# KiCad board poly_kb_molecule_16x5.kicad_pcb (continued)
## Routing (per net, layer and track width the routed paths; a pad name or vN(x,y) marks a point on that pad's centre or on a via; arc(x,y) is an arc through that point) (continued)
/Keyboard/sheet605ED2EB/KeyCol: length 3539
  Top w0.254: v1(206.63,59.56) 205.99,58.93 205.99,56.39 205.47,55.87 203.51,55.87 203.08,56.29 v1(202.85,56.29) ; v1(301.88,59.56) 301.24,58.93 301.24,56.39 300.72,55.87 298.76,55.87 298.33,56.29 v1(298.1,56.29) ; v1(130.43,78.61) 129.79,77.98 129.79,75.44 129.27,74.92 127.31,74.92 126.88,75.34 v1(126.65,75.34) ; v1(31.4,37.24) 31.63,37.24 32.06,36.82 34.02,36.82 34.54,37.34 34.54,39.88 v1(35.18,40.51) ; v1(126.65,56.29) 126.88,56.29 127.31,55.87 129.27,55.87 129.79,56.39 129.79,58.93 v1(130.43,59.56) ; v1(71.29,24.97) 71.21,25.04 v1(69.22,25.04) ; v1(50.17,5.99) 52.16,5.99 v1(52.24,5.92) ; v1(225.68,59.56) 225.04,58.93 225.04,56.39 224.52,55.87 222.56,55.87 222.13,56.29 v1(221.9,56.29) ; v1(202.85,75.34) 203.08,75.34 203.51,74.92 205.47,74.92 205.99,75.44 205.99,77.98 v1(206.63,78.61) ; v1(204.64,63.07) 204.56,63.14 v1(202.57,63.14) ; v1(107.32,82.19) 109.31,82.19 v1(109.39,82.12) ; v1(166.54,63.07) 166.46,63.14 v1(164.47,63.14) ; J9#9.1 72.64,1.78 v1(73.28,2.41) ; v1(107.6,37.24) 107.83,37.24 108.26,36.82 110.22,36.82 110.74,37.34 110.74,39.88 v1(111.38,40.51) ; J9#4.1 148.84,1.78 v1(149.48,2.41) ; v1(263.78,2.41) 263.14,1.78 J9.1 ; v1(164.47,44.09) 166.46,44.09 v1(166.54,44.02) ; v1(73.28,40.51) 72.64,39.88 72.64,37.34 72.12,36.82 70.16,36.82 69.73,37.24 v1(69.5,37.24) ; v1(282.83,2.41) 282.19,1.78 J9#5.1 ; v1(202.57,5.99) 204.56,5.99 v1(204.64,5.92) ; v1(168.53,21.46) 167.89,20.83 167.89,18.29 167.37,17.77 165.41,17.77 164.98,18.19 v1(164.75,18.19) ; v1(221.62,5.99) 223.61,5.99 v1(223.69,5.92) ; v1(31.4,56.29) 31.63,56.29 32.06,55.87 34.02,55.87 34.54,56.39 34.54,58.93 v1(35.18,59.56) ; v1(299.89,63.07) 299.81,63.14 v1(297.82,63.14) ; v1(204.64,24.97) 204.56,25.04 v1(202.57,25.04) ; v1(16.13,40.51) 15.49,39.88 15.49,37.34 14.97,36.82 13.01,36.82 12.58,37.24 v1(12.35,37.24) ; v1(244.73,2.41) 244.09,1.78 J9#16.1 ; v1(225.68,2.41) 225.04,1.78 J9#7.1 ; v1(187.58,59.56) 186.94,58.93 186.94,56.39 186.42,55.87 184.46,55.87 184.03,56.29 v1(183.8,56.29) ; v1(54.23,2.41) 53.59,1.78 J9#13.1 ; J9#3.1 91.69,1.78 v1(92.33,2.41) ; v1(126.37,25.04) 128.36,25.04 v1(128.44,24.97) ; v1(225.68,40.51) 225.04,39.88 225.04,37.34 224.52,36.82 222.56,36.82 222.13,37.24 v1(221.9,37.24) ; v1(52.24,63.07) 52.16,63.14 v1(50.17,63.14) ; v1(261.79,44.02) 261.71,44.09 v1(259.72,44.09) ; v1(202.85,18.19) 203.08,18.19 203.51,17.77 205.47,17.77 205.99,18.29 205.99,20.83 v1(206.63,21.46) ; v1(185.59,82.12) 185.51,82.19 v1(183.52,82.19) ; v1(221.9,75.34) 222.13,75.34 222.56,74.92 224.52,74.92 225.04,75.44 225.04,77.98 v1(225.68,78.61) ; v1(92.33,59.56) 91.69,58.93 91.69,56.39 91.17,55.87 89.21,55.87 88.78,56.29 v1(88.55,56.29) ; v1(109.39,44.02) 109.31,44.09 v1(107.32,44.09) ; J2#12.1 110.22,93.97 108.26,93.97 107.83,94.39 v1(107.6,94.39) ; v1(149.48,59.56) 148.84,58.93 148.84,56.39 148.32,55.87 146.36,55.87 145.93,56.29 v1(145.7,56.29) ; J2#8.1 243.57,93.97 241.61,93.97 241.18,94.39 v1(240.95,94.39) ; v1(54.23,40.51) 53.59,39.88 53.59,37.34 53.07,36.82 51.11,36.82 50.68,37.24 v1(50.45,37.24) ; J9#11.1 110.74,1.78 v1(111.38,2.41) ; v1(183.52,25.04) 185.51,25.04 v1(185.59,24.97) ; v1(88.27,5.99) 90.26,5.99 v1(90.34,5.92) ; v1(301.88,21.46) 301.24,20.83 301.24,18.29 300.72,17.77 298.76,17.77 298.33,18.19 v1(298.1,18.19) ; v1(183.8,18.19) 184.03,18.19 184.46,17.77 186.42,17.77 186.94,18.29 186.94,20.83 v1(187.58,21.46) ; v1(145.7,94.39) 145.93,94.39 146.36,93.97 148.32,93.97 J2#3.1 ; v1(50.45,94.39) 50.68,94.39 51.11,93.97 53.07,93.97 J2#7.1 ; v1(185.59,63.07) 185.51,63.14 v1(183.52,63.14) ; v1(109.39,5.92) 109.31,5.99 v1(107.32,5.99) ; v1(280.84,24.97) 280.76,25.04 v1(278.77,25.04) ; v1(225.68,21.46) 225.04,20.83 225.04,18.29 224.52,17.77 222.56,17.77 222.13,18.19 v1(221.9,18.19) ; v1(185.59,5.92) 185.51,5.99 v1(183.52,5.99) ; J2#15.1 91.17,93.97 89.21,93.97 88.78,94.39 v1(88.55,94.39) ; v1(88.55,18.19) 88.78,18.19 89.21,17.77 91.17,17.77 91.69,18.29 91.69,20.83 v1(92.33,21.46) ; v1(35.18,78.61) 34.54,77.98 34.54,75.44 34.02,74.92 32.06,74.92 31.63,75.34 v1(31.4,75.34) ; v1(240.67,5.99) 242.66,5.99 v1(242.74,5.92) ; v1(31.12,44.09) 33.11,44.09 v1(33.19,44.02) ; v1(126.37,63.14) 128.36,63.14 v1(128.44,63.07) ; v1(164.75,37.24) 164.98,37.24 165.41,36.82 167.37,36.82 167.89,37.34 167.89,39.88 v1(168.53,40.51) ; v1(259.72,82.19) 261.71,82.19 v1(261.79,82.12) ; v1(260,94.39) 260.23,94.39 260.66,93.97 262.62,93.97 J2#13.1 ; v1(279.05,18.19) 279.28,18.19 279.71,17.77 281.67,17.77 282.19,18.29 282.19,20.83 v1(282.83,21.46) ; v1(16.13,78.61) 15.49,77.98 15.49,75.44 14.97,74.92 13.01,74.92 12.58,75.34 v1(12.35,75.34) ; v1(279.05,75.34) 279.28,75.34 279.71,74.92 281.67,74.92 282.19,75.44 282.19,77.98 v1(282.83,78.61) ; v1(260,37.24) 260.23,37.24 260.66,36.82 262.62,36.82 263.14,37.34 263.14,39.88 v1(263.78,40.51) ; v1(12.35,18.19) 12.58,18.19 13.01,17.77 14.97,17.77 15.49,18.29 15.49,20.83 v1(16.13,21.46) ; v1(279.05,37.24) 279.28,37.24 279.71,36.82 281.67,36.82 282.19,37.34 282.19,39.88 v1(282.83,40.51) ; v1(52.24,24.97) 52.16,25.04 v1(50.17,25.04) ; v1(221.62,25.04) 223.61,25.04 v1(223.69,24.97) ; J2#16.1 224.52,93.97 222.56,93.97 222.13,94.39 v1(221.9,94.39) ; v1(109.39,63.07) 109.31,63.14 v1(107.32,63.14) ; v1(147.49,82.12) 147.41,82.19 v1(145.42,82.19) ; v1(187.58,2.41) 186.94,1.78 J9#8.1 ; v1(71.29,44.02) 71.21,44.09 v1(69.22,44.09) ; v1(187.58,40.51) 186.94,39.88 186.94,37.34 186.42,36.82 184.46,36.82 184.03,37.24 v1(183.8,37.24) ; v1(240.67,44.09) 242.66,44.09 v1(242.74,44.02) ; v1(278.77,63.14) 280.76,63.14 v1(280.84,63.07) ; v1(50.17,82.19) 52.16,82.19 v1(52.24,82.12) ; v1(126.65,37.24) 126.88,37.24 127.31,36.82 129.27,36.82 129.79,37.34 129.79,39.88 v1(130.43,40.51) ; v1(145.7,37.24) 145.93,37.24 146.36,36.82 148.32,36.82 148.84,37.34 148.84,39.88 v1(149.48,40.51) ; J2#9.1 205.47,93.97 203.51,93.97 203.08,94.39 v1(202.85,94.39) ; v1(54.23,59.56) 53.59,58.93 53.59,56.39 53.07,55.87 51.11,55.87 50.68,56.29 v1(50.45,56.29) ; v1(164.75,94.39) 164.98,94.39 165.41,93.97 167.37,93.97 J2#11.1 ; v1(168.53,78.61) 167.89,77.98 167.89,75.44 167.37,74.92 165.41,74.92 164.98,75.34 v1(164.75,75.34) ; v1(168.53,2.41) 167.89,1.78 J9#12.1 ; v1(88.27,25.04) 90.26,25.04 v1(90.34,24.97) ; v1(280.84,82.12) 280.76,82.19 v1(278.77,82.19) ; v1(31.12,25.04) 33.11,25.04 v1(33.19,24.97) ; v1(221.62,63.14) 223.61,63.14 v1(223.69,63.07) ; J2#14.1 129.27,93.97 127.31,93.97 126.88,94.39 v1(126.65,94.39) ; v1(88.27,63.14) 90.26,63.14 v1(90.34,63.07) ; v1(147.49,44.02) 147.41,44.09 v1(145.42,44.09) ; v1(111.38,59.56) 110.74,58.93 110.74,56.39 110.22,55.87 108.26,55.87 107.83,56.29 v1(107.6,56.29) ; v1(166.54,5.92) 166.46,5.99 v1(164.47,5.99) ; v1(259.72,63.14) 261.71,63.14 v1(261.79,63.07) ; v1(299.89,5.92) 299.81,5.99 v1(297.82,5.99) ; J9#14.1 301.24,1.78 v1(301.88,2.41) ; v1(54.23,78.61) 53.59,77.98 53.59,75.44 53.07,74.92 51.11,74.92 50.68,75.34 v1(50.45,75.34) ; v1(107.32,25.04) 109.31,25.04 v1(109.39,24.97) ; v1(244.73,78.61) 244.09,77.98 244.09,75.44 243.57,74.92 241.61,74.92 241.18,75.34 v1(240.95,75.34) ; v1(299.89,82.12) 299.81,82.19 v1(297.82,82.19) ; v1(279.05,56.29) 279.28,56.29 279.71,55.87 281.67,55.87 282.19,56.39 282.19,58.93 v1(282.83,59.56) ; v1(259.72,25.04) 261.71,25.04 v1(261.79,24.97) ; v1(242.74,63.07) 242.66,63.14 v1(240.67,63.14) ; v1(223.69,82.12) 223.61,82.19 v1(221.62,82.19) ; v1(164.75,56.29) 164.98,56.29 165.41,55.87 167.37,55.87 167.89,56.39 167.89,58.93 v1(168.53,59.56) ; v1(33.19,5.92) 33.11,5.99 v1(31.12,5.99) ; J9#2.1 205.99,1.78 v1(206.63,2.41) ; v1(164.47,25.04) 166.46,25.04 v1(166.54,24.97) ; v1(204.64,82.12) 204.56,82.19 v1(202.57,82.19) ; v1(145.42,63.14) 147.41,63.14 v1(147.49,63.07) ; v1(299.89,24.97) 299.81,25.04 v1(297.82,25.04) ; v1(31.4,18.19) 31.63,18.19 32.06,17.77 34.02,17.77 34.54,18.29 34.54,20.83 v1(35.18,21.46) ; J2.1 14.97,93.97 13.01,93.97 12.58,94.39 v1(12.35,94.39) ; v1(301.88,78.61) 301.24,77.98 301.24,75.44 300.72,74.92 298.76,74.92 298.33,75.34 v1(298.1,75.34) ; v1(145.7,18.19) 145.93,18.19 146.36,17.77 148.32,17.77 148.84,18.29 148.84,20.83 v1(149.48,21.46) ; v1(147.49,24.97) 147.41,25.04 v1(145.42,25.04) ; v1(31.12,63.14) 33.11,63.14 v1(33.19,63.07) ; v1(240.67,25.04) 242.66,25.04 v1(242.74,24.97) ; v1(52.24,44.02) 52.16,44.09 v1(50.17,44.09) ; v1(278.77,44.09) 280.76,44.09 v1(280.84,44.02) ; v1(206.63,40.51) 205.99,39.88 205.99,37.34 205.47,36.82 203.51,36.82 203.08,37.24 v1(202.85,37.24) ; v1(73.28,21.46) 72.64,20.83 72.64,18.29 72.12,17.77 70.16,17.77 69.73,18.19 v1(69.5,18.19) ; v1(88.55,37.24) 88.78,37.24 89.21,36.82 91.17,36.82 91.69,37.34 91.69,39.88 v1(92.33,40.51) ; v1(260,56.29) 260.23,56.29 260.66,55.87 262.62,55.87 263.14,56.39 263.14,58.93 v1(263.78,59.56) ; v1(149.48,78.61) 148.84,77.98 148.84,75.44 148.32,74.92 146.36,74.92 145.93,75.34 v1(145.7,75.34) ; v1(244.73,40.51) 244.09,39.88 244.09,37.34 243.57,36.82 241.61,36.82 241.18,37.24 v1(240.95,37.24) ; v1(107.6,75.34) 107.83,75.34 108.26,74.92 110.22,74.92 110.74,75.44 110.74,77.98 v1(111.38,78.61) ; J9#15.1 34.54,1.78 v1(35.18,2.41) ; v1(69.22,82.19) 71.21,82.19 v1(71.29,82.12) ; v1(223.69,44.02) 223.61,44.09 v1(221.62,44.09) ; v1(183.8,75.34) 184.03,75.34 184.46,74.92 186.42,74.92 186.94,75.44 186.94,77.98 v1(187.58,78.61) ; v1(240.67,82.19) 242.66,82.19 v1(242.74,82.12) ; v1(88.55,75.34) 88.78,75.34 89.21,74.92 91.17,74.92 91.69,75.44 91.69,77.98 v1(92.33,78.61) ; v1(126.37,44.09) 128.36,44.09 v1(128.44,44.02) ; v1(204.64,44.02) 204.56,44.09 v1(202.57,44.09) ; v1(12.07,5.99) 14.06,5.99 v1(14.14,5.92) ; v1(128.44,5.92) 128.36,5.99 v1(126.37,5.99) ; v1(12.35,56.29) 12.58,56.29 13.01,55.87 14.97,55.87 15.49,56.39 15.49,58.93 v1(16.13,59.56) ; v1(69.5,75.34) 69.73,75.34 70.16,74.92 72.12,74.92 72.64,75.44 72.64,77.98 v1(73.28,78.61) ; v1(88.27,82.19) 90.26,82.19 v1(90.34,82.12) ; v1(130.43,21.46) 129.79,20.83 129.79,18.29 129.27,17.77 127.31,17.77 126.88,18.19 v1(126.65,18.19) ; v1(240.95,18.19) 241.18,18.19 241.61,17.77 243.57,17.77 244.09,18.29 244.09,20.83 v1(244.73,21.46) ; J9#10.1 15.49,1.78 v1(16.13,2.41) ; v1(240.95,56.29) 241.18,56.29 241.61,55.87 243.57,55.87 244.09,56.39 244.09,58.93 v1(244.73,59.56) ; v1(54.23,21.46) 53.59,20.83 53.59,18.29 53.07,17.77 51.11,17.77 50.68,18.19 v1(50.45,18.19) ; v1(298.1,37.24) 298.33,37.24 298.76,36.82 300.72,36.82 301.24,37.34 301.24,39.88 v1(301.88,40.51) ; v1(90.34,44.02) 90.26,44.09 v1(88.27,44.09) ; v1(71.29,63.07) 71.21,63.14 v1(69.22,63.14) ; v1(299.89,44.02) 299.81,44.09 v1(297.82,44.09) ; v1(71.29,5.92) 71.21,5.99 v1(69.22,5.99) ; v1(12.07,25.04) 14.06,25.04 v1(14.14,24.97) ; v1(107.6,18.19) 107.83,18.19 108.26,17.77 110.22,17.77 110.74,18.29 110.74,20.83 v1(111.38,21.46) ; v1(12.07,63.14) 14.06,63.14 v1(14.14,63.07) ; v1(164.47,82.19) 166.46,82.19 v1(166.54,82.12) ; J2#10.1 281.67,93.97 279.71,93.97 279.28,94.39 v1(279.05,94.39) ; v1(12.07,82.19) 14.06,82.19 v1(14.14,82.12) ; v1(185.59,44.02) 185.51,44.09 v1(183.52,44.09) ; v1(259.72,5.99) 261.71,5.99 v1(261.79,5.92) ; v1(69.5,94.39) 69.73,94.39 70.16,93.97 72.12,93.97 J2#6.1 ; v1(130.43,2.41) 129.79,1.78 J9#6.1 ; v1(31.4,94.39) 31.63,94.39 32.06,93.97 34.02,93.97 J2#2.1 ; J2#5.1 300.72,93.97 298.76,93.97 298.33,94.39 v1(298.1,94.39) ; v1(278.77,5.99) 280.76,5.99 v1(280.84,5.92) ; v1(128.44,82.12) 128.36,82.19 v1(126.37,82.19) ; v1(69.5,56.29) 69.73,56.29 70.16,55.87 72.12,55.87 72.64,56.39 72.64,58.93 v1(73.28,59.56) ; v1(33.19,82.12) 33.11,82.19 v1(31.12,82.19) ; v1(147.49,5.92) 147.41,5.99 v1(145.42,5.99) ; v1(260,75.34) 260.23,75.34 260.66,74.92 262.62,74.92 263.14,75.44 263.14,77.98 v1(263.78,78.61) ; v1(183.8,94.39) 184.03,94.39 184.46,93.97 186.42,93.97 J2#4.1 ; v1(263.78,21.46) 263.14,20.83 263.14,18.29 262.62,17.77 260.66,17.77 260.23,18.19 v1(260,18.19) ; v1(14.14,44.02) 14.06,44.09 v1(12.07,44.09)
  Bottom w0.25: 65.49,43.91 65.45,43.95 63.16,43.95 63.12,43.91 ; 177.42,62.96 177.46,63 179.75,63 179.79,62.96 ; 158.37,43.91 158.41,43.95 160.7,43.95 160.74,43.91 ; 234.57,82.01 234.61,82.05 236.9,82.05 236.94,82.01 ; 198.84,43.91 198.8,43.95 196.51,43.95 196.47,43.91 ; 234.57,43.91 234.61,43.95 236.9,43.95 236.94,43.91 ; 196.47,5.81 196.51,5.85 198.8,5.85 198.84,5.81 ; 275.04,43.91 275,43.95 272.71,43.95 272.67,43.91 ; 160.74,5.81 160.7,5.85 158.41,5.85 158.37,5.81 ; 141.69,24.86 141.65,24.9 139.36,24.9 139.32,24.86 ; 82.17,82.01 82.21,82.05 84.5,82.05 84.54,82.01 ; 294.09,43.91 294.05,43.95 291.76,43.95 291.72,43.91 ; 84.54,43.91 84.5,43.95 82.21,43.95 82.17,43.91 ; 234.57,5.81 234.61,5.85 236.9,5.85 236.94,5.81 ; 177.42,43.91 177.46,43.95 179.75,43.95 179.79,43.91 ; 5.97,5.81 6.01,5.85 8.3,5.85 8.34,5.81 ; 272.67,24.86 272.71,24.9 275,24.9 275.04,24.86 ; 63.12,62.96 63.16,63 65.45,63 65.49,62.96 ; 122.64,5.81 122.6,5.85 120.31,5.85 120.27,5.81 ; 82.17,5.81 82.21,5.85 84.5,5.85 84.54,5.81 ; 65.49,5.81 65.45,5.85 63.16,5.85 63.12,5.81 ; 27.39,43.91 27.35,43.95 25.06,43.95 25.02,43.91 ; 177.42,82.01 177.46,82.05 179.75,82.05 179.79,82.01 ; 8.34,43.91 8.3,43.95 6.01,43.95 5.97,43.91 ; 139.32,82.01 139.36,82.05 141.65,82.05 141.69,82.01 ; 25.02,24.86 25.06,24.9 27.35,24.9 27.39,24.86 ; 103.59,82.01 103.55,82.05 101.26,82.05 101.22,82.01 ; 27.39,62.96 27.35,63 25.06,63 25.02,62.96 ; 217.89,62.96 217.85,63 215.56,63 215.52,62.96 ; 120.27,43.91 120.31,43.95 122.6,43.95 122.64,43.91 ; 101.22,43.91 101.26,43.95 103.55,43.95 103.59,43.91 ; 234.57,24.86 234.61,24.9 236.9,24.9 236.94,24.86 ; 196.47,24.86 196.51,24.9 198.8,24.9 198.84,24.86 ; 122.64,62.96 122.6,63 120.31,63 120.27,62.96 ; 255.99,24.86 255.95,24.9 253.66,24.9 253.62,24.86 ; 141.69,43.91 141.65,43.95 139.36,43.95 139.32,43.91 ; 272.67,82.01 272.71,82.05 275,82.05 275.04,82.01 ; 253.62,82.01 253.66,82.05 255.95,82.05 255.99,82.01 ; 25.02,82.01 25.06,82.05 27.35,82.05 27.39,82.01 ; 46.44,43.91 46.4,43.95 44.11,43.95 44.07,43.91 ; 103.59,5.81 103.55,5.85 101.26,5.85 101.22,5.81 ; 272.67,62.96 272.71,63 275,63 275.04,62.96 ; 196.47,82.01 196.51,82.05 198.8,82.05 198.84,82.01 ; 5.97,82.01 6.01,82.05 8.3,82.05 8.34,82.01 ; 272.67,5.81 272.71,5.85 275,5.85 275.04,5.81 ; 25.02,5.81 25.06,5.85 27.35,5.85 27.39,5.81 ; 255.99,62.96 255.95,63 253.66,63 253.62,62.96 ; 294.09,5.81 294.05,5.85 291.76,5.85 291.72,5.81 ; 82.17,62.96 82.21,63 84.5,63 84.54,62.96 ; 82.17,24.86 82.21,24.9 84.5,24.9 84.54,24.86 ; 101.22,62.96 101.26,63 103.55,63 103.59,62.96 ; 120.27,24.86 120.31,24.9 122.6,24.9 122.64,24.86 ; 253.62,43.91 253.66,43.95 255.95,43.95 255.99,43.91 ; 253.62,5.81 253.66,5.85 255.95,5.85 255.99,5.81 ; 46.44,24.86 46.4,24.9 44.11,24.9 44.07,24.86 ; 234.57,62.96 234.61,63 236.9,63 236.94,62.96 ; 179.79,5.81 179.75,5.85 177.46,5.85 177.42,5.81 ; 217.89,24.86 217.85,24.9 215.56,24.9 215.52,24.86 ; 65.49,24.86 65.45,24.9 63.16,24.9 63.12,24.86 ; 291.72,24.86 291.76,24.9 294.05,24.9 294.09,24.86 ; 294.09,62.96 294.05,63 291.76,63 291.72,62.96 ; 5.97,24.86 6.01,24.9 8.3,24.9 8.34,24.86 ; 44.07,5.81 44.11,5.85 46.4,5.85 46.44,5.81 ; 63.12,82.01 63.16,82.05 65.45,82.05 65.49,82.01 ; 139.32,62.96 139.36,63 141.65,63 141.69,62.96 ; 158.37,24.86 158.41,24.9 160.7,24.9 160.74,24.86 ; 141.69,5.81 141.65,5.85 139.36,5.85 139.32,5.81 ; 122.64,82.01 122.6,82.05 120.31,82.05 120.27,82.01 ; 177.42,24.86 177.46,24.9 179.75,24.9 179.79,24.86 ; 8.34,62.96 8.3,63 6.01,63 5.97,62.96 ; 198.84,62.96 198.8,63 196.51,63 196.47,62.96 ; 291.72,82.01 291.76,82.05 294.05,82.05 294.09,82.01 ; 46.44,82.01 46.4,82.05 44.11,82.05 44.07,82.01 ; 217.89,82.01 217.85,82.05 215.56,82.05 215.52,82.01 ; 101.22,24.86 101.26,24.9 103.55,24.9 103.59,24.86 ; 217.89,5.81 217.85,5.85 215.56,5.85 215.52,5.81 ; 215.52,43.91 215.56,43.95 217.85,43.95 217.89,43.91 ; 158.37,82.01 158.41,82.05 160.7,82.05 160.74,82.01 ; 158.37,62.96 158.41,63 160.7,63 160.74,62.96 ; 44.07,62.96 44.11,63 46.4,63 46.44,62.96
  Bottom w0.254: 294.09,43.91 297.64,43.91 v1(297.82,44.09) ; v1(111.38,59.56) 111.38,59.92 109.58,61.72 109.58,62.88 v1(109.39,63.07) ; v1(128.44,24.97) 128.63,24.78 128.63,23.62 130.43,21.82 v1(130.43,21.46) ; v1(14.14,24.97) 14.33,24.78 14.33,23.62 16.13,21.82 v1(16.13,21.46) ; 119.27,92.62 119.27,93.08 119.08,93.27 119.07,93.27 J8#16.1 ; 119.27,92.62 120.77,92.62 122.49,94.34 126.59,94.34 v1(126.65,94.39) ; 119.27,92.62 119.27,92.13 118.3,91.17 118.3,88.07 117.84,87.62 117.84,87.32 117.53,87.01 117.53,83.58 117.93,83.18 117.93,81.88 118.06,81.75 118.52,81.75 118.52,81.75 118.74,81.75 118.86,81.87 120.13,81.87 120.27,82.01 ; 236.94,62.96 240.49,62.96 v1(240.67,63.14) ; 275.04,5.81 278.59,5.81 v1(278.77,5.99) ; v1(261.79,82.12) 261.98,81.93 261.98,80.77 263.78,78.97 v1(263.78,78.61) ; 120.27,24.86 120.13,24.72 118.86,24.72 118.74,24.6 118.52,24.6 118.52,24.6 118.06,24.6 117.93,24.73 117.93,26.03 117.53,26.43 117.53,29.86 117.84,30.17 117.84,30.47 118.3,30.92 118.3,34.02 119.27,34.98 119.29,34.98 119.77,35.47 120.77,35.47 122.49,37.19 126.59,37.19 v1(126.65,37.24) ; v1(145.7,56.29) 145.64,56.24 141.54,56.24 139.82,54.52 138.77,54.52 138.32,54.06 138.32,54.03 137.35,53.07 137.35,49.97 136.89,49.52 136.89,49.22 136.58,48.91 136.58,45.48 136.98,45.08 136.98,43.78 137.11,43.65 137.57,43.65 137.57,43.65 137.79,43.65 137.91,43.77 139.18,43.77 139.32,43.91 ; 177.42,82.01 177.28,81.87 176.01,81.87 175.89,81.75 175.67,81.75 175.67,81.75 175.21,81.75 175.08,81.88 175.08,83.18 174.68,83.58 174.68,87.01 174.99,87.32 174.99,87.62 175.45,88.07 175.45,91.17 176.42,92.13 176.42,92.62 ; 290.72,92.62 292.22,92.62 293.94,94.34 298.04,94.34 v1(298.1,94.39) ; 290.72,92.62 290.72,93.08 290.53,93.27 290.52,93.27 J8#15.1 ; 290.72,92.62 290.72,92.13 289.75,91.17 289.75,88.07 289.29,87.62 289.29,87.32 288.98,87.01 288.98,83.58 289.38,83.18 289.38,81.88 289.51,81.75 289.97,81.75 289.97,81.75 290.19,81.75 290.31,81.87 291.58,81.87 291.72,82.01 ; 255.99,24.86 259.54,24.86 v1(259.72,25.04) ; v1(221.9,94.39) 221.84,94.34 217.74,94.34 216.02,92.62 214.52,92.62 ; v1(260,18.19) 259.94,18.14 255.84,18.14 254.12,16.42 253.1,16.42 251.65,14.97 251.65,11.87 251.19,11.42 251.19,11.12 250.88,10.81 250.88,7.38 251.28,6.98 251.28,5.68 251.41,5.55 251.87,5.55 251.87,5.55 252.09,5.55 252.21,5.67 253.48,5.67 253.62,5.81 ; 25.02,82.01 24.88,81.87 23.61,81.87 23.49,81.75 23.27,81.75 23.27,81.75 22.81,81.75 22.68,81.88 22.68,83.18 22.28,83.58 22.28,87.01 22.59,87.32 22.59,87.62 23.05,88.07 23.05,91.17 24.02,92.13 24.02,92.62 ; 84.54,82.01 88.09,82.01 v1(88.27,82.19) ; v1(168.53,78.61) 168.53,78.97 166.73,80.77 166.73,81.93 v1(166.54,82.12) ; 271.67,92.62 271.67,93.08 271.48,93.27 271.47,93.27 J8#3.1 ; 271.67,92.62 273.17,92.62 274.89,94.34 278.99,94.34 v1(279.05,94.39) ; 271.67,92.62 271.67,92.13 270.7,91.17 270.7,88.07 270.24,87.62 270.24,87.32 269.93,87.01 269.93,83.58 270.33,83.18 270.33,81.88 270.46,81.75 270.92,81.75 270.92,81.75 271.14,81.75 271.26,81.87 272.53,81.87 272.67,82.01 ; 27.39,62.96 30.94,62.96 v1(31.12,63.14) ; 62.12,92.62 62.12,93.08 61.93,93.27 61.92,93.27 J8#13.1 ; 62.12,92.62 63.62,92.62 65.34,94.34 69.44,94.34 v1(69.5,94.39) ; 62.12,92.62 62.12,92.13 61.15,91.17 61.15,88.07 60.69,87.62 60.69,87.32 60.38,87.01 60.38,83.58 60.78,83.18 60.78,81.88 60.91,81.75 61.37,81.75 61.37,81.75 61.59,81.75 61.71,81.87 62.98,81.87 63.12,82.01 ; v1(107.32,25.04) 107.14,24.86 103.59,24.86 ; v1(244.73,2.41) 244.73,2.77 242.93,4.57 242.93,5.73 v1(242.74,5.92) ; v1(14.14,63.07) 14.33,62.88 14.33,61.72 16.13,59.92 v1(16.13,59.56) ; v1(126.37,63.14) 126.19,62.96 122.64,62.96 ; v1(261.79,63.07) 261.98,62.88 261.98,61.72 263.78,59.92 v1(263.78,59.56) ; 198.84,5.81 202.39,5.81 v1(202.57,5.99) ; 217.89,82.01 221.44,82.01 v1(221.62,82.19) ; 46.44,62.96 49.99,62.96 v1(50.17,63.14) ; 253.62,24.86 253.48,24.72 252.21,24.72 252.09,24.6 251.87,24.6 251.87,24.6 251.41,24.6 251.28,24.73 251.28,26.03 250.88,26.43 250.88,29.86 251.19,30.17 251.19,30.47 251.65,30.92 251.65,34.02 252.62,34.98 252.62,35 253.08,35.47 254.12,35.47 255.84,37.19 259.94,37.19 v1(260,37.24) ; v1(259.72,44.09) 259.54,43.91 255.99,43.91 ; v1(278.77,44.09) 278.59,43.91 275.04,43.91 ; 65.49,24.86 69.04,24.86 v1(69.22,25.04) ; J8#8.1 23.82,93.27 23.83,93.27 24.02,93.08 24.02,92.62 ; v1(263.78,21.46) 263.78,21.82 261.98,23.62 261.98,24.78 v1(261.79,24.97) ; 198.84,24.86 202.39,24.86 v1(202.57,25.04) ; v1(73.28,59.56) 73.28,59.92 71.48,61.72 71.48,62.88 v1(71.29,63.07) ; v1(12.35,56.29) 12.29,56.24 8.19,56.24 6.47,54.52 5.43,54.52 4.97,54.05 4.97,54.03 4,53.07 4,49.97 3.54,49.52 3.54,49.22 3.23,48.91 3.23,45.48 3.63,45.08 3.63,43.78 3.76,43.65 4.22,43.65 4.22,43.65 4.44,43.65 4.56,43.77 5.83,43.77 5.97,43.91 ; 217.89,5.81 221.44,5.81 v1(221.62,5.99) ; J8#9.1 80.97,93.27 80.98,93.27 81.17,93.08 81.17,92.62 ; v1(244.73,21.46) 244.73,21.82 242.93,23.62 242.93,24.78 v1(242.74,24.97) ; 177.42,24.86 177.28,24.72 176.01,24.72 175.89,24.6 175.67,24.6 175.67,24.6 175.21,24.6 175.08,24.73 175.08,26.03 174.68,26.43 174.68,29.86 174.99,30.17 174.99,30.47 175.45,30.92 175.45,34.02 176.42,34.98 176.42,35 176.88,35.47 177.92,35.47 179.64,37.19 183.74,37.19 v1(183.8,37.24) ; v1(90.34,44.02) 90.53,43.83 90.53,42.67 92.33,40.87 v1(92.33,40.51) ; 179.79,5.81 183.34,5.81 v1(183.52,5.99) ; v1(88.55,18.19) 88.49,18.14 84.39,18.14 82.67,16.42 81.67,16.42 81.18,15.93 81.17,15.93 80.2,14.97 80.2,11.87 79.74,11.42 79.74,11.12 79.43,10.81 79.43,7.38 79.83,6.98 79.83,5.68 79.96,5.55 80.42,5.55 80.42,5.55 80.64,5.55 80.76,5.67 82.03,5.67 82.17,5.81 ; v1(31.12,5.99) 30.94,5.81 27.39,5.81 ; v1(185.59,5.92) 185.78,5.73 185.78,4.57 187.58,2.77 v1(187.58,2.41) ; v1(202.85,56.29) 202.79,56.24 198.69,56.24 196.97,54.52 195.93,54.52 195.47,54.05 195.47,54.03 194.5,53.07 194.5,49.97 194.04,49.52 194.04,49.22 193.73,48.91 193.73,45.48 194.13,45.08 194.13,43.78 194.26,43.65 194.72,43.65 194.72,43.65 194.94,43.65 195.06,43.77 196.33,43.77 196.47,43.91 ; v1(240.95,37.24) 240.89,37.19 236.79,37.19 235.07,35.47 234.02,35.47 233.57,35.01 233.57,34.98 232.6,34.02 232.6,30.92 232.14,30.47 232.14,30.17 231.83,29.86 231.83,26.43 232.23,26.03 232.23,24.73 232.36,24.6 232.82,24.6 232.82,24.6 233.04,24.6 233.16,24.72 234.43,24.72 234.57,24.86 ; v1(280.84,24.97) 281.03,24.78 281.03,23.62 282.83,21.82 v1(282.83,21.46) ; v1(128.44,5.92) 128.63,5.73 128.63,4.57 130.43,2.77 v1(130.43,2.41) ; v1(31.12,82.19) 30.94,82.01 27.39,82.01 ; v1(204.64,24.97) 204.83,24.78 204.83,23.62 206.63,21.82 v1(206.63,21.46) ; v1(35.18,2.41) 35.18,2.77 33.38,4.57 33.38,5.73 v1(33.19,5.92) ; v1(299.89,24.97) 300.08,24.78 300.08,23.62 301.88,21.82 v1(301.88,21.46) ; v1(52.24,63.07) 52.43,62.88 52.43,61.72 54.23,59.92 v1(54.23,59.56) ; v1(149.48,2.41) 149.48,2.77 147.68,4.57 147.68,5.73 v1(147.49,5.92) ; v1(88.55,75.34) 88.49,75.29 84.39,75.29 82.67,73.57 81.62,73.57 81.17,73.11 81.17,73.08 80.2,72.12 80.2,69.02 79.74,68.57 79.74,68.27 79.43,67.96 79.43,64.53 79.83,64.13 79.83,62.83 79.96,62.7 80.42,62.7 80.42,62.7 80.64,62.7 80.76,62.82 82.03,62.82 82.17,62.96 ; v1(107.32,44.09) 107.14,43.91 103.59,43.91 ; v1(202.57,63.14) 202.39,62.96 198.84,62.96 ; v1(297.82,5.99) 297.64,5.81 294.09,5.81 ; v1(206.63,59.56) 206.63,59.92 204.83,61.72 204.83,62.88 v1(204.64,63.07) ; 103.59,62.96 107.14,62.96 v1(107.32,63.14) ; 291.72,24.86 291.58,24.72 290.31,24.72 290.19,24.6 289.97,24.6 289.97,24.6 289.51,24.6 289.38,24.73 289.38,26.03 288.98,26.43 288.98,29.86 289.29,30.17 289.29,30.47 289.75,30.92 289.75,34.02 290.72,34.98 290.73,34.98 290.73,35.03 291.17,35.47 292.22,35.47 293.94,37.19 298.04,37.19 v1(298.1,37.24) ; v1(31.4,94.39) 31.34,94.34 27.24,94.34 25.52,92.62 24.02,92.62 ; v1(168.53,21.46) 168.53,21.82 166.73,23.62 166.73,24.78 v1(166.54,24.97) ; 294.09,82.01 297.64,82.01 v1(297.82,82.19) ; 81.17,92.62 82.67,92.62 84.39,94.34 88.49,94.34 v1(88.55,94.39) ; 81.17,92.62 81.17,92.13 80.2,91.17 80.2,88.07 79.74,87.62 79.74,87.32 79.43,87.01 79.43,83.58 79.83,83.18 79.83,81.88 79.96,81.75 80.42,81.75 80.42,81.75 80.64,81.75 80.76,81.87 82.03,81.87 82.17,82.01 ; 44.07,43.91 43.93,43.77 42.66,43.77 42.54,43.65 42.32,43.65 42.32,43.65 41.86,43.65 41.73,43.78 41.73,45.08 41.33,45.48 41.33,48.91 41.64,49.22 41.64,49.52 42.1,49.97 42.1,53.07 43.07,54.03 43.07,54.05 43.53,54.52 44.57,54.52 46.29,56.24 50.39,56.24 v1(50.45,56.29) ; v1(130.43,59.56) 130.43,59.92 128.63,61.72 128.63,62.88 v1(128.44,63.07) ; 214.52,92.62 214.52,93.08 214.33,93.27 214.32,93.27 J8#11.1 ; 214.52,92.62 214.52,92.13 213.55,91.17 213.55,88.07 213.09,87.62 213.09,87.32 212.78,87.01 212.78,83.58 213.18,83.18 213.18,81.88 213.31,81.75 213.77,81.75 213.77,81.75 213.99,81.75 214.11,81.87 215.38,81.87 215.52,82.01 ; v1(128.44,44.02) 128.63,43.83 128.63,42.67 130.43,40.87 v1(130.43,40.51) ; v1(164.47,44.09) 164.29,43.91 160.74,43.91 ; J8#2.1 195.27,93.27 195.28,93.27 195.47,93.08 195.47,92.62 ; 139.32,62.96 139.18,62.82 137.91,62.82 137.79,62.7 137.57,62.7 137.57,62.7 137.11,62.7 136.98,62.83 136.98,64.13 136.58,64.53 136.58,67.96 136.89,68.27 136.89,68.57 137.35,69.02 137.35,72.12 138.32,73.08 138.32,73.1 138.78,73.57 139.82,73.57 141.54,75.29 145.64,75.29 v1(145.7,75.34) ; 122.64,24.86 126.19,24.86 v1(126.37,25.04) ; v1(31.4,56.29) 31.34,56.24 27.24,56.24 25.52,54.52 24.5,54.52 23.05,53.07 23.05,49.97 22.59,49.52 22.59,49.22 22.28,48.91 22.28,45.48 22.68,45.08 22.68,43.78 22.81,43.65 23.27,43.65 23.27,43.65 23.49,43.65 23.61,43.77 24.88,43.77 25.02,43.91 ; v1(90.34,82.12) 90.53,81.93 90.53,80.77 92.33,78.97 v1(92.33,78.61) ; v1(260,94.39) 259.94,94.34 255.84,94.34 254.12,92.62 252.62,92.62 ; 5.97,5.81 5.83,5.67 4.56,5.67 4.44,5.55 4.22,5.55 4.22,5.55 3.76,5.55 3.63,5.68 3.63,6.98 3.23,7.38 3.23,10.81 3.54,11.12 3.54,11.42 4,11.87 4,14.97 4.97,15.93 4.98,15.93 5.47,16.42 6.47,16.42 8.19,18.14 12.29,18.14 v1(12.35,18.19) ; v1(221.62,44.09) 221.44,43.91 217.89,43.91 ; v1(90.34,24.97) 90.53,24.78 90.53,23.62 92.33,21.82 v1(92.33,21.46) ; v1(88.55,37.24) 88.49,37.19 84.39,37.19 82.67,35.47 81.62,35.47 81.17,35.01 81.17,34.98 80.2,34.02 80.2,30.92 79.74,30.47 79.74,30.17 79.43,29.86 79.43,26.43 79.83,26.03 79.83,24.73 79.96,24.6 80.42,24.6 80.42,24.6 80.64,24.6 80.76,24.72 82.03,24.72 82.17,24.86 ; v1(50.17,82.19) 49.99,82.01 46.44,82.01 ; 179.79,24.86 183.34,24.86 v1(183.52,25.04) ; v1(223.69,24.97) 223.88,24.78 223.88,23.62 225.68,21.82 v1(225.68,21.46) ; v1(168.53,40.51) 168.53,40.87 166.73,42.67 166.73,43.83 v1(166.54,44.02) ; v1(111.38,21.46) 111.38,21.82 109.58,23.62 109.58,24.78 v1(109.39,24.97) ; v1(280.84,63.07) 281.03,62.88 281.03,61.72 282.83,59.92 v1(282.83,59.56) ; v1(50.45,37.24) 50.39,37.19 46.29,37.19 44.57,35.47 43.57,35.47 43.09,34.98 43.07,34.98 42.1,34.02 42.1,30.92 41.64,30.47 41.64,30.17 41.33,29.86 41.33,26.43 41.73,26.03 41.73,24.73 41.86,24.6 42.32,24.6 42.32,24.6 42.54,24.6 42.66,24.72 43.93,24.72 44.07,24.86 ; v1(164.47,82.19) 164.29,82.01 160.74,82.01 ; 158.37,5.81 158.23,5.67 156.96,5.67 156.84,5.55 156.62,5.55 156.62,5.55 156.16,5.55 156.03,5.68 156.03,6.98 155.63,7.38 155.63,10.81 155.94,11.12 155.94,11.42 156.4,11.87 156.4,14.97 157.37,15.93 157.38,15.93 157.87,16.42 158.87,16.42 160.59,18.14 164.69,18.14 v1(164.75,18.19) ; J8#5.1 252.42,93.27 252.43,93.27 252.62,93.08 252.62,92.62 ; 272.67,43.91 272.53,43.77 271.26,43.77 271.14,43.65 270.92,43.65 270.92,43.65 270.46,43.65 270.33,43.78 270.33,45.08 269.93,45.48 269.93,48.91 270.24,49.22 270.24,49.52 270.7,49.97 270.7,53.07 271.67,54.03 271.67,54.05 272.13,54.52 273.17,54.52 274.89,56.24 278.99,56.24 v1(279.05,56.29) ; 84.54,5.81 88.09,5.81 v1(88.27,5.99) ; v1(240.95,18.19) 240.89,18.14 236.79,18.14 235.07,16.42 234.07,16.42 233.58,15.93 233.57,15.93 232.6,14.97 232.6,11.87 232.14,11.42 232.14,11.12 231.83,10.81 231.83,7.38 232.23,6.98 232.23,5.68 232.36,5.55 232.82,5.55 232.82,5.55 233.04,5.55 233.16,5.67 234.43,5.67 234.57,5.81 ; v1(126.65,75.34) 126.59,75.29 122.49,75.29 120.77,73.57 119.73,73.57 119.27,73.1 119.27,73.08 118.3,72.12 118.3,69.02 117.84,68.57 117.84,68.27 117.53,67.96 117.53,64.53 117.93,64.13 117.93,62.83 118.06,62.7 118.52,62.7 118.52,62.7 118.74,62.7 118.86,62.82 120.13,62.82 120.27,62.96 ; v1(242.74,44.02) 242.93,43.83 242.93,42.67 244.73,40.87 v1(244.73,40.51) ; v1(298.1,18.19) 298.04,18.14 293.94,18.14 292.22,16.42 291.17,16.42 290.73,15.98 290.73,15.93 290.72,15.93 289.75,14.97 289.75,11.87 289.29,11.42 289.29,11.12 288.98,10.81 288.98,7.38 289.38,6.98 289.38,5.68 289.51,5.55 289.97,5.55 289.97,5.55 290.19,5.55 290.31,5.67 291.58,5.67 291.72,5.81 ; v1(202.57,82.19) 202.39,82.01 198.84,82.01 ; v1(12.07,44.09) 11.89,43.91 8.34,43.91 ; 196.47,5.81 196.33,5.67 195.06,5.67 194.94,5.55 194.72,5.55 194.72,5.55 194.26,5.55 194.13,5.68 194.13,6.98 193.73,7.38 193.73,10.81 194.04,11.12 194.04,11.42 194.5,11.87 194.5,14.97 195.47,15.93 195.47,15.95 195.93,16.42 196.97,16.42 198.69,18.14 202.79,18.14 v1(202.85,18.19) ; v1(88.27,44.09) 88.09,43.91 84.54,43.91 ; v1(225.68,59.56) 225.68,59.92 223.88,61.72 223.88,62.88 v1(223.69,63.07) ; v1(164.47,5.99) 164.29,5.81 160.74,5.81 ; 44.07,62.96 43.93,62.82 42.66,62.82 42.54,62.7 42.32,62.7 42.32,62.7 41.86,62.7 41.73,62.83 41.73,64.13 41.33,64.53 41.33,67.96 41.64,68.27 41.64,68.57 42.1,69.02 42.1,72.12 43.07,73.08 43.07,73.1 43.53,73.57 44.57,73.57 46.29,75.29 50.39,75.29 v1(50.45,75.34) ; v1(126.65,56.29) 126.59,56.24 122.49,56.24 120.77,54.52 119.73,54.52 119.27,54.05 119.27,54.03 118.3,53.07 118.3,49.97 117.84,49.52 117.84,49.22 117.53,48.91 117.53,45.48 117.93,45.08 117.93,43.78 118.06,43.65 118.52,43.65 118.52,43.65 118.74,43.65 118.86,43.77 120.13,43.77 120.27,43.91 ; v1(31.12,25.04) 30.94,24.86 27.39,24.86 ; v1(223.69,5.92) 223.88,5.73 223.88,4.57 225.68,2.77 v1(225.68,2.41) ; v1(260,56.29) 259.94,56.24 255.84,56.24 254.12,54.52 253.1,54.52 251.65,53.07 251.65,49.97 251.19,49.52 251.19,49.22 250.88,48.91 250.88,45.48 251.28,45.08 251.28,43.78 251.41,43.65 251.87,43.65 251.87,43.65 252.09,43.65 252.21,43.77 253.48,43.77 253.62,43.91 ; v1(12.07,63.14) 11.89,62.96 8.34,62.96 ; v1(279.05,18.19) 278.99,18.14 274.89,18.14 273.17,16.42 272.13,16.42 271.67,15.95 271.67,15.93 270.7,14.97 270.7,11.87 270.24,11.42 270.24,11.12 269.93,10.81 269.93,7.38 270.33,6.98 270.33,5.68 270.46,5.55 270.92,5.55 270.92,5.55 271.14,5.55 271.26,5.67 272.53,5.67 272.67,5.81 ; v1(109.39,44.02) 109.58,43.83 109.58,42.67 111.38,40.87 v1(111.38,40.51) ; v1(282.83,78.61) 282.83,78.97 281.03,80.77 281.03,81.93 v1(280.84,82.12) ; 141.69,43.91 145.24,43.91 v1(145.42,44.09) ; v1(221.9,56.29) 221.84,56.24 217.74,56.24 216.02,54.52 214.97,54.52 214.52,54.06 214.52,54.03 213.55,53.07 213.55,49.97 213.09,49.52 213.09,49.22 212.78,48.91 212.78,45.48 213.18,45.08 213.18,43.78 213.31,43.65 213.77,43.65 213.77,43.65 213.99,43.65 214.11,43.77 215.38,43.77 215.52,43.91 ; v1(90.34,63.07) 90.53,62.88 90.53,61.72 92.33,59.92 v1(92.33,59.56) ; v1(225.68,40.51) 225.68,40.87 223.88,42.67 223.88,43.83 v1(223.69,44.02) ; v1(221.9,75.34) 221.84,75.29 217.74,75.29 216.02,73.57 214.98,73.57 214.52,73.1 214.52,73.08 213.55,72.12 213.55,69.02 213.09,68.57 213.09,68.27 212.78,67.96 212.78,64.53 213.18,64.13 213.18,62.83 213.31,62.7 213.77,62.7 213.77,62.7 213.99,62.7 214.11,62.82 215.38,62.82 215.52,62.96 ; 234.57,43.91 234.43,43.77 233.16,43.77 233.04,43.65 232.82,43.65 232.82,43.65 232.36,43.65 232.23,43.78 232.23,45.08 231.83,45.48 231.83,48.91 232.14,49.22 232.14,49.52 232.6,49.97 232.6,53.07 233.57,54.03 233.57,54.05 234.03,54.52 235.07,54.52 236.79,56.24 240.89,56.24 v1(240.95,56.29) ; 138.32,92.62 138.32,93.08 138.13,93.27 138.12,93.27 J8#12.1 ; 138.32,92.62 138.32,92.13 137.35,91.17 137.35,88.07 136.89,87.62 136.89,87.32 136.58,87.01 136.58,83.58 136.98,83.18 136.98,81.88 137.11,81.75 137.57,81.75 137.57,81.75 137.79,81.75 137.91,81.87 139.18,81.87 139.32,82.01 ; 138.32,92.62 139.82,92.62 141.54,94.34 145.64,94.34 v1(145.7,94.39) ; v1(54.23,21.46) 54.23,21.82 52.43,23.62 52.43,24.78 v1(52.24,24.97) ; v1(301.88,2.41) 301.88,2.77 300.08,4.57 300.08,5.73 v1(299.89,5.92) ; 179.79,43.91 183.34,43.91 v1(183.52,44.09) ; v1(54.23,40.51) 54.23,40.87 52.43,42.67 52.43,43.83 v1(52.24,44.02) ; v1(71.29,44.02) 71.48,43.83 71.48,42.67 73.28,40.87 v1(73.28,40.51) ; 157.37,92.62 157.37,92.13 156.4,91.17 156.4,88.07 155.94,87.62 155.94,87.32 155.63,87.01 155.63,83.58 156.03,83.18 156.03,81.88 156.16,81.75 156.62,81.75 156.62,81.75 156.84,81.75 156.96,81.87 158.23,81.87 158.37,82.01 ; 157.37,92.62 158.87,92.62 160.59,94.34 164.69,94.34 v1(164.75,94.39) ; 157.37,92.62 157.37,93.08 157.18,93.27 157.17,93.27 J8#6.1 ; v1(33.19,24.97) 33.38,24.78 33.38,23.62 35.18,21.82 v1(35.18,21.46) ; v1(240.67,44.09) 240.49,43.91 236.94,43.91 ; v1(145.7,37.24) 145.64,37.19 141.54,37.19 139.82,35.47 138.77,35.47 138.33,35.03 138.33,34.98 138.32,34.98 137.35,34.02 137.35,30.92 136.89,30.47 136.89,30.17 136.58,29.86 136.58,26.43 136.98,26.03 136.98,24.73 137.11,24.6 137.57,24.6 137.57,24.6 137.79,24.6 137.91,24.72 139.18,24.72 139.32,24.86 ; 177.42,43.91 177.28,43.77 176.01,43.77 175.89,43.65 175.67,43.65 175.67,43.65 175.21,43.65 175.08,43.78 175.08,45.08 174.68,45.48 174.68,48.91 174.99,49.22 174.99,49.52 175.45,49.97 175.45,53.07 176.9,54.52 177.92,54.52 179.64,56.24 183.74,56.24 v1(183.8,56.29) ; 101.22,24.86 101.08,24.72 99.81,24.72 99.69,24.6 99.47,24.6 99.47,24.6 99.01,24.6 98.88,24.73 98.88,26.03 98.48,26.43 98.48,29.86 98.79,30.17 98.79,30.47 99.25,30.92 99.25,34.02 100.22,34.98 100.22,35 100.68,35.47 101.72,35.47 103.44,37.19 107.54,37.19 v1(107.6,37.24) ; 158.37,62.96 158.23,62.82 156.96,62.82 156.84,62.7 156.62,62.7 156.62,62.7 156.16,62.7 156.03,62.83 156.03,64.13 155.63,64.53 155.63,67.96 155.94,68.27 155.94,68.57 156.4,69.02 156.4,72.12 157.37,73.08 157.37,73.11 157.82,73.57 158.87,73.57 160.59,75.29 164.69,75.29 v1(164.75,75.34) ; v1(202.85,75.34) 202.79,75.29 198.69,75.29 196.97,73.57 195.93,73.57 195.47,73.1 195.47,73.08 194.5,72.12 194.5,69.02 194.04,68.57 194.04,68.27 193.73,67.96 193.73,64.53 194.13,64.13 194.13,62.83 194.26,62.7 194.72,62.7 194.72,62.7 194.94,62.7 195.06,62.82 196.33,62.82 196.47,62.96 ; v1(16.13,78.61) 16.13,78.97 14.33,80.77 14.33,81.93 v1(14.14,82.12) ; v1(88.27,25.04) 88.09,24.86 84.54,24.86 ; 101.22,82.01 101.08,81.87 99.81,81.87 99.69,81.75 99.47,81.75 99.47,81.75 99.01,81.75 98.88,81.88 98.88,83.18 98.48,83.58 98.48,87.01 98.79,87.32 98.79,87.62 99.25,88.07 99.25,91.17 100.22,92.13 100.22,92.62 ; v1(221.9,18.19) 221.84,18.14 217.74,18.14 216.02,16.42 214.97,16.42 214.53,15.98 214.53,15.93 214.52,15.93 213.55,14.97 213.55,11.87 213.09,11.42 213.09,11.12 212.78,10.81 212.78,7.38 213.18,6.98 213.18,5.68 213.31,5.55 213.77,5.55 213.77,5.55 213.99,5.55 214.11,5.67 215.38,5.67 215.52,5.81 ; v1(240.95,94.39) 240.89,94.34 236.79,94.34 235.07,92.62 233.57,92.62 ; 4.97,92.62 4.97,92.13 4,91.17 4,88.07 3.54,87.62 3.54,87.32 3.23,87.01 3.23,83.58 3.63,83.18 3.63,81.88 3.76,81.75 4.22,81.75 4.22,81.75 4.44,81.75 4.56,81.87 5.83,81.87 5.97,82.01 ; 4.97,92.62 6.47,92.62 8.19,94.34 12.29,94.34 v1(12.35,94.39) ; 4.97,92.62 4.97,93.08 4.78,93.27 4.77,93.27 J8.1 ; v1(126.37,82.19) 126.19,82.01 122.64,82.01 ; 253.62,62.96 253.48,62.82 252.21,62.82 252.09,62.7 251.87,62.7 251.87,62.7 251.41,62.7 251.28,62.83 251.28,64.13 250.88,64.53 250.88,67.96 251.19,68.27 251.19,68.57 251.65,69.02 251.65,72.12 253.1,73.57 254.12,73.57 255.84,75.29 259.94,75.29 v1(260,75.34) ; v1(92.33,2.41) 92.33,2.77 90.53,4.57 90.53,5.73 v1(90.34,5.92) ; 5.97,62.96 5.83,62.82 4.56,62.82 4.44,62.7 4.22,62.7 4.22,62.7 3.76,62.7 3.63,62.83 3.63,64.13 3.23,64.53 3.23,67.96 3.54,68.27 3.54,68.57 4,69.02 4,72.12 4.97,73.08 4.97,73.11 5.42,73.57 6.47,73.57 8.19,75.29 12.29,75.29 v1(12.35,75.34) ; 139.32,5.81 139.18,5.67 137.91,5.67 137.79,5.55 137.57,5.55 137.57,5.55 137.11,5.55 136.98,5.68 136.98,6.98 136.58,7.38 136.58,10.81 136.89,11.12 136.89,11.42 137.35,11.87 137.35,14.97 138.32,15.93 138.33,15.93 138.33,15.98 138.77,16.42 139.82,16.42 141.54,18.14 145.64,18.14 v1(145.7,18.19) ; 177.42,62.96 177.28,62.82 176.01,62.82 175.89,62.7 175.67,62.7 175.67,62.7 175.21,62.7 175.08,62.83 175.08,64.13 